# Altium PCB PCB_15122020_01CA.PcbDoc (part 3 of 5)
Units mm, origin at the board's own origin, x right, y up, seen from the top; angles counter-clockwise.
Board outline 139.36 x 118 mm, 4 copper layers (Top Layer, Layer 1, Layer 2, Bottom Layer), stack 1.57 mm thick; 384 components, 409 nets, 1580 pads, 1084 vias.
Unrouted connection lines stored in the file: 7.
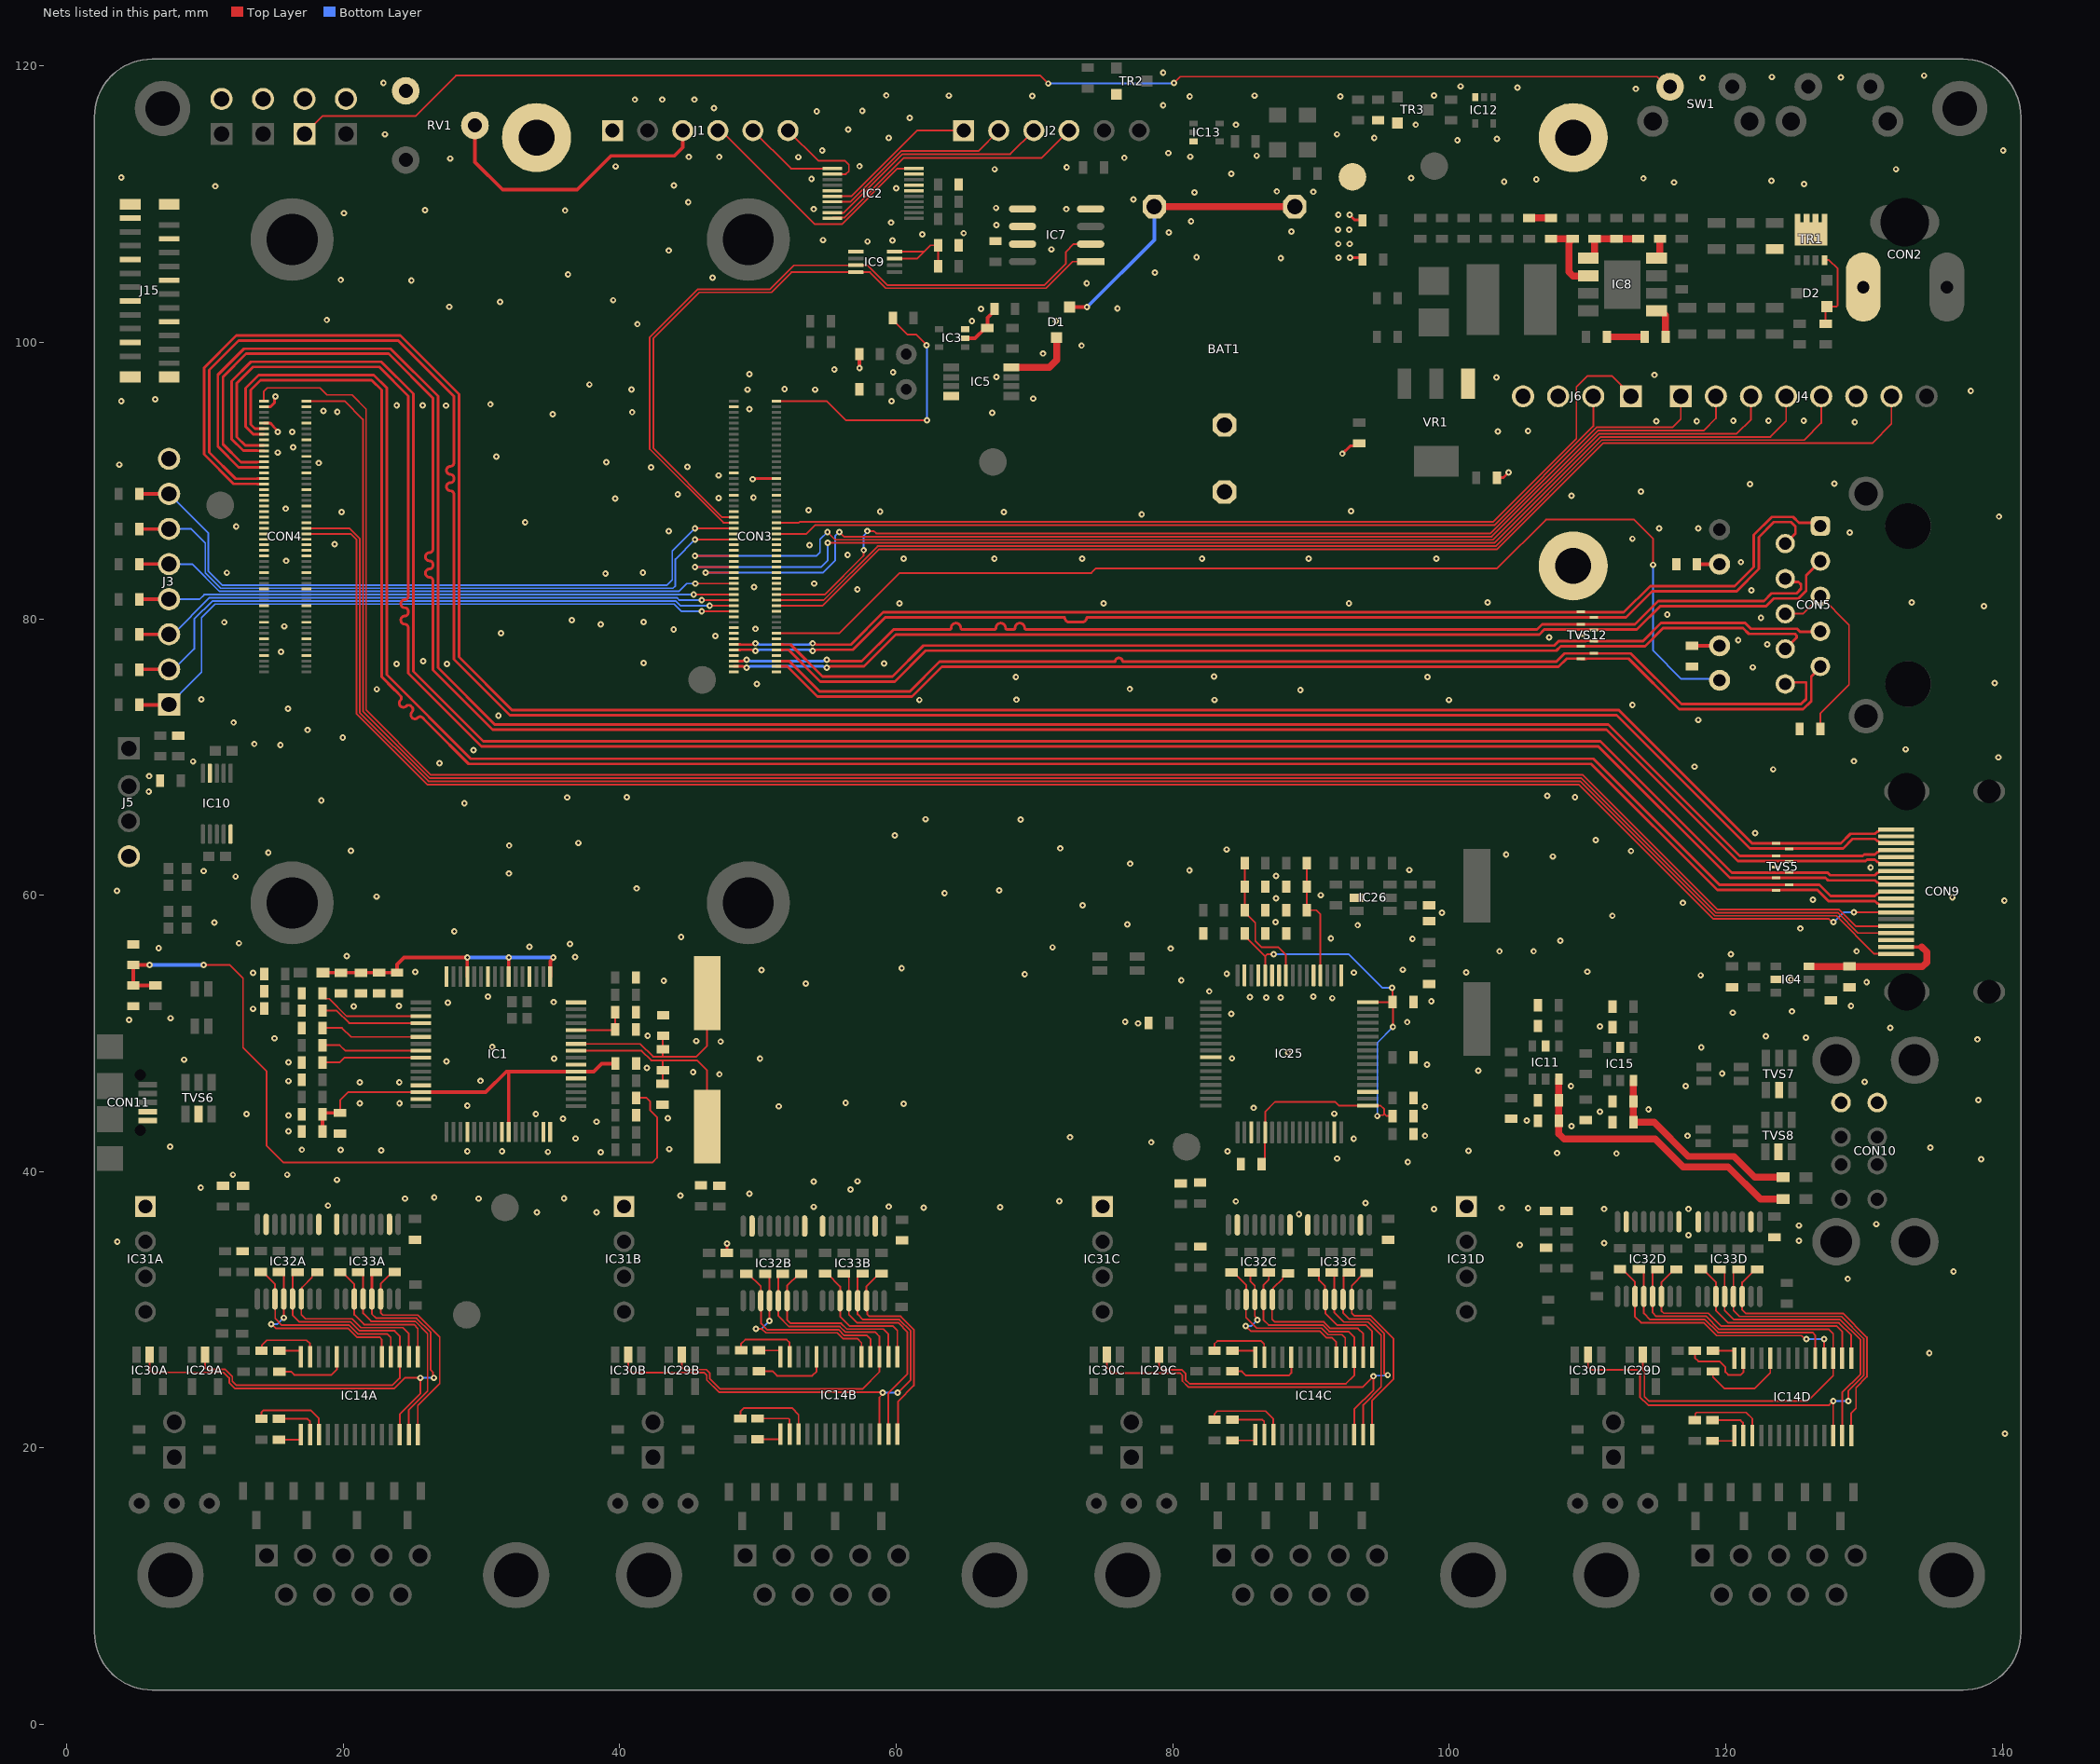
[diagram p5: the nets of this part, all layers, seen from the top]

## Via types
v1: diameter 0.46, hole 0.2, Top Layer to Bottom Layer, tented both sides, 1072 vias
v2: diameter 1.27, hole 0.711, Top Layer to Bottom Layer, tented both sides, 12 vias

## Nets (pads, with @x,y where several pads share a name; then routed paths per layer and width w, separated by ;. In a path a pad name is that pad's centre, name@x,y a point inside that pad or via, vN(x,y) a via of type N, cw(c..) or ccw(c..) an arc to the next point about the centre after c; other vN are vias at no path point) (continued)
Ethernet_nLED3: CON3.15 CON5.14 | length 81.2
  Top Layer w0.127: CON3.15@51.337,78.952 55.877,78.952 60.243,83.318 74.114,83.318 74.443,83.646 103.471,83.646 107,87.175 113.375,87.175 114.75,85.8 v1(114.75,83.9)
  Bottom Layer w0.127: v1(114.75,83.9) 114.75,77.7 116.8,75.65 119.46,75.65 CON5.14@119.56,75.55
Ethernet_Pair0_N: CON3.10 CON5.2 TVS12.9 | length 84.2
  Top Layer w0.192: CON3.10@48.257,77.752 48.261,77.756 48.718,77.756 48.729,77.767 49.559,77.767 49.603,77.723 49.774,77.723 v1(49.825,77.671) ; v1(53.95,77.671) 54.001,77.723 54.172,77.723 54.216,77.767 56.872,77.767 59.204,80.1 69.8,80.1 70.596,80.1 72.188,80.1 ccw(c72.525,80.1) 72.525,79.763 73.442,79.763 ccw(c73.442,80.1) 73.779,80.1 75.371,80.1 75.375,80.1 109.725,80.1 TVS12.9@110.475,80.1 112.786,80.1 114.686,82 120.793,82 122.395,83.602 122.395,85.909 123.486,87 124.725,87 125.047,86.678 125.047,86.182 CON5.2@124.31,85.445
  Bottom Layer w0.192: v1(49.825,77.671) 49.876,77.723 50.047,77.723 50.091,77.767 53.684,77.767 53.728,77.723 53.899,77.723 v1(53.95,77.671)
Ethernet_Pair0_P: CON3.12 CON5.1 TVS12.1 | length 84.2
  Top Layer w0.192: CON3.12@48.257,78.152 48.261,78.148 48.718,78.148 48.729,78.137 49.559,78.137 49.603,78.182 49.774,78.182 v1(49.825,78.233) ; v1(53.95,78.233) 54.001,78.182 54.172,78.182 54.216,78.137 56.719,78.137 59.051,80.47 112.633,80.47 114.533,82.37 120.64,82.37 122.025,83.755 122.025,86.062 123.333,87.37 124.878,87.37 125.308,86.939 126.626,86.939 CON5.1@126.85,86.715
  Bottom Layer w0.192: v1(49.825,78.233) 49.876,78.182 50.047,78.182 50.091,78.137 53.684,78.137 53.728,78.182 53.899,78.182 v1(53.95,78.233)
Ethernet_Pair1_N: CON3.6 CON5.4 TVS12.2 | length 82.2
  Top Layer w0.192: CON3.6@48.257,76.952 48.261,76.948 48.646,76.948 48.657,76.937 48.909,76.937 v1@48.953,76.982 ; v1(54.975,77.033) 55.026,76.982 55.197,76.982 55.241,76.937 57.512,76.937 59.808,79.233 63.625,79.233 63.86,79.233 ccw(c63.86,79.344) 63.971,79.344 cw(c64.317,79.344) 64.317,79.69 cw(c64.317,79.344) 64.663,79.344 ccw(c64.774,79.344) 64.774,79.233 65.354,79.233 66.046,79.233 66.175,79.233 66.521,79.233 67.102,79.233 ccw(c67.102,79.344) 67.213,79.344 cw(c67.559,79.344) 67.559,79.69 cw(c67.559,79.344) 67.904,79.344 ccw(c68.016,79.344) 68.016,79.233 68.485,79.233 ccw(c68.485,79.344) 68.596,79.344 cw(c68.942,79.344) 68.942,79.69 cw(c68.942,79.344) 69.288,79.344 ccw(c69.399,79.344) 69.399,79.233 69.45,79.233 106.358,79.233 106.725,79.6 107.651,79.6 TVS12.2@109.525,79.6 110.113,79.6 113.422,79.6 115.117,81.295 122.77,81.295 123.32,81.845 125.12,81.845 125.45,82.175 125.45,82.484 125.26,82.674 124.541,82.674 CON5.4@124.31,82.905
  Bottom Layer w0.192: v1(49.175,77.033) 49.226,76.982 49.397,76.982 49.441,76.937 54.709,76.937 v1@54.753,76.982
Ethernet_Pair1_P: CON3.4 CON5.3 TVS12.8 | length 82.1
  Top Layer w0.192: CON3.4@48.257,76.552 48.261,76.556 48.646,76.556 48.657,76.567 48.909,76.567 v1@48.953,76.523 ; v1(54.975,76.471) 55.026,76.523 55.197,76.523 55.241,76.567 57.665,76.567 59.961,78.863 106.511,78.863 106.878,79.23 107.804,79.23 113.575,79.23 115.27,80.925 122.923,80.925 123.473,81.475 125.273,81.475 125.82,82.022 125.82,83.145 CON5.3@126.85,84.175
  Bottom Layer w0.192: v1(49.175,76.471) 49.226,76.523 49.397,76.523 49.441,76.567 54.709,76.567 v1@54.753,76.523
Ethernet_Pair2_N: CON3.9 CON5.8 TVS12.4 | length 78.2
  Top Layer w0.192: CON3.9@51.337,77.752 51.341,77.756 51.798,77.756 51.809,77.767 52.208,77.767 54.511,75.464 59.892,75.464 62.128,77.7 67.85,77.7 71.725,77.7 107.748,77.7 108.073,78.025 109.875,78.025 ; TVS12.4@109.525,78 109.529,78.004 109.854,78.004 109.875,78.025 ; CON5.8@124.31,77.825 125.119,78.634 125.119,78.793 125.007,78.905 121.67,78.905 121.25,79.325 115.473,79.325 114.173,78.025 109.875,78.025
Ethernet_Pair2_P: CON3.11 CON5.7 TVS12.7 | length 78.4
  Top Layer w0.192: CON3.11@51.337,78.152 51.341,78.148 51.798,78.148 51.809,78.137 52.361,78.137 54.664,75.833 59.739,75.833 61.975,78.07 107.595,78.07 107.92,78.395 109.875,78.395 109.88,78.4 TVS12.7@110.475,78.4 ; TVS12.7@110.475,78.395 114.02,78.395 115.32,79.695 121.403,79.695 121.823,79.275 125.16,79.275 125.385,79.05 126.805,79.05 CON5.7@126.85,79.095
Ethernet_Pair3_N: CON3.5 CON5.10 TVS12.6 | length 81.9
  Top Layer w0.192: CON3.5@51.337,76.952 51.341,76.948 51.798,76.948 51.809,76.937 52.261,76.937 54.447,74.75 60.993,74.75 63.138,76.895 75.575,76.895 75.841,76.895 75.841,76.906 cw(c76.107,76.906) 76.107,77.172 cw(c76.107,76.906) 76.373,76.906 76.373,76.895 76.875,76.895 77.35,76.895 81.175,76.895 107.749,76.895 108.345,77.491 109.925,77.491 ; TVS12.6@110.475,77.5 110.471,77.496 109.93,77.496 109.925,77.491 ; CON5.10@124.31,75.285 124.43,75.405 125.82,75.405 125.82,74.193 125.452,73.825 116.798,73.825 113.131,77.491 109.925,77.491
Ethernet_Pair3_P: CON3.3 CON5.9 TVS12.5 | length 81.9
  Top Layer w0.192: CON3.3@51.337,76.552 51.341,76.556 51.798,76.556 51.809,76.567 52.108,76.567 54.294,74.381 61.146,74.381 63.291,76.526 107.902,76.526 108.498,77.122 109.925,77.122 ; TVS12.5@109.525,77.1 109.529,77.104 109.907,77.104 109.925,77.122 ; CON5.9@126.85,76.555 126.85,76.48 126.189,75.819 126.189,74.04 125.605,73.455 116.645,73.455 112.978,77.122 109.925,77.122
Ethernet_SYNC_IN: CON3.16
Ethernet_SYNC_OUT: CON3.18
GLOBAL_EN: CON3.99 R78.2 | length 20.3
  Top Layer w0.127: CON3.99@51.337,95.752 54.973,95.752 56.35,94.375 v1(62.225,94.375) ; R78.2@59.75,101.775 59.75,101.625 60.8,100.575 61.425,100.575 v1(62.2,99.8)
  Bottom Layer w0.127: v1(62.2,99.8) 62.212,99.788 62.212,94.387 v1(62.225,94.375)
GLOBAL_EN_PIN: J18.1 SW1.2 | length 101.3
  Top Layer w0.127: J18.1@17.196,115.075 18.497,116.375 25.225,116.375 28.15,119.3 70.425,119.3 v1(71,118.725) ; v1(80.1,118.775) 80.55,119.225 115.016,119.225 115.741,118.5 SW1.2@115.975,118.5
  Bottom Layer w0.127: v1(71,118.725) 71.025,118.75 80.075,118.75 v1(80.1,118.775)
GND: BAT1.2 C2.2 C3.2 C4.2 C5.2 C6.2 C7.2 C24.2 C25.2 C29.1 C30.2 C31.2 C32.2 C33.2 C34.2 C35.2 C36.2 C37.1 C38A.2 C38B.2 C38C.2 C38D.2 C40.2 C41.2 C42.2 C43.2 C44.2 C50.2 C51.2 C52.2 C53.1 C54.2 C55A.1 C55B.1 C55C.1 C55D.1 C56.2 C57.2 C58.2 C59.2 C60.2 C61.2 C62.2 C63.2 C74.2 C89.2 C90.2 C91.1 C92.1 C93.1 C94.1 C95.2 C96.2 C97.2 C98.2 C99.2 C100.2 C101.2 C102.2 C103.1 C120A.1 C120B.1 C120C.1 C120D.1 CON3.1 CON3.2 CON3.7 CON3.8 CON3.13 CON3.14 CON3.22 CON3.23 CON3.32 CON3.33 CON3.42 CON3.43 CON3.52 CON3.53 CON3.59 CON3.60 CON3.65 CON3.66 CON3.71 CON3.74 CON3.98 CON4.7 CON4.8 CON4.13 CON4.14 CON4.19 CON4.20 CON4.25 CON4.26 CON4.31 CON4.32 CON4.37 CON4.38 CON4.44 CON4.50 CON4.55 CON4.56 CON4.61 CON4.62 CON4.67 CON4.68 CON4.73 CON4.74 CON4.79 CON4.80 CON4.85 CON4.86 CON4.91 CON4.92 CON4.97 CON4.98 CON9.2 CON9.5 CON9.8 CON9.11 CON9.17 CON10.A4 CON10.B4 CON11.4 CON11.5 IC1.4 IC1.10 IC1.16 IC1.29 IC1.31 IC1.36 IC1.41 IC1.47 IC1.48 IC1.53 IC1.55 IC1.64 IC2.6 IC2.7 IC2.9 IC2.15 IC3.3 IC4.2 IC5.4 IC7.4 IC7.5 IC7.6 IC7.7 IC9.1 IC10.5 IC10.9 IC11.2 IC12.3 IC13.3 IC15.2 IC25.1 IC25.5 IC25.10 IC25.11 IC25.13 IC25.15 IC25.25 IC25.35 IC25.47 IC25.51 IC26.2 IC31A.1 IC31B.1 IC31C.1 IC31D.1 IC32A.9 IC32A.15 IC32B.9 IC32B.15 IC32C.9 IC32C.15 IC32D.9 IC32D.15 IC33A.2 IC33A.8 IC33B.2 IC33B.8 IC33C.2 IC33C.8 IC33D.2 IC33D.8 J1.1 J3.8 J4.6 J5.4 J6.3 J6.4 J15.1 J15.4 J15.7 J15.10 J15.13 J15.16 J15.19 J15.MP1 J15.MP2 J15.MP3 J15.MP4 J16.2 J17.2 J18.2 J19.2 PAD1.1 PAD2.1 PAD3.1 R3.2 R5.2 R17.1 R38.2 R39.2 R46.2 R53.2 R54.2 R57A.1 R57B.1 R57C.1 R57D.1 R60.2 R61.2 R65.2 R66.2 R71.2 R73.2 R77.1 R108.1 R110.1 R111.1 RV1.1 TP5.1 TR2.2 TR3.2 TVS5.3 TVS6.2 TVS7.2 TVS8.2 TVS12.3 VR1.1 | length 10.7
  Top Layer w0.2: CON4.92@14.257,94.152 14.733,94.152 14.932,93.954 14.932,93.928 15.264,93.595 v1(15.264,93.525) ; CON4.98@14.257,95.352 14.752,95.352 15.039,95.639 15.039,96.025 v1(15.089,96.075) ; R57B.1@47.754,34.114 v1(47.754,34.8) ; v1(49.625,90.1) 49.693,90.1 49.745,90.152 CON3.71@51.337,90.152 ; v1(92.275,91.95) 92.825,92.5 93.3,92.5 C25.2@93.5,92.7 ; v1(92.8,109.225) 93.175,108.85 93.7,108.85 R54.2@93.725,108.825 ; v1(92.825,106.13) 93.595,106.13 R53.2@93.725,106 ; C29.1@103.45,90.2 103.475,90.225 103.925,90.225 v1(104.3,90.6)
  Top Layer w0.254: C4.2@57.325,99.15 57.336,99.139 57.336,98.161 v1(57.347,98.15)
  other v1: 140.2,21.05 134.725,26.875 128.825,32.25 136.475,32.775 105.1,34.7 111.2,34.825 3.65,34.925 125.3,35 117.3,35.4 125.3,36.1 130.9,36.2 89.138,36.923 34,37.05 38.325,37.05 98.9,37.3 111.2,37.304 117.3,37.304 103.8,37.375 105.7,37.365 61.985,37.4 67.525,37.425 54.038,37.448 59.45,37.475 18.888,37.545 93.953,37.725 84.563,37.848 71.788,37.873 24.464,38.05 29.8,38.05 35.975,38.075 26.575,38.129 44.4,38.275 49.375,38.4 56.7,38.7 9.685,38.85 54.025,39.279 57.2,39.3 19.55,39.4 12.013,39.773 15.95,39.775 97,40.692 138.488,40.9 91.9,40.95 112.1,41.315 107.8,41.35 38.625,41.4 34.8,41.425 31.49,41.473 83.963,41.473 28.971,41.475 101.4,41.5 22.75,41.55 19.81,41.575 17,41.587 43.579,41.625 134.8,41.75 7.475,41.8 78.45,42.125 93.092,42.387 36.8,42.4 72.563,42.498 98.25,42.6 117.25,42.6 16.036,42.917 108.85,43.3 38.325,43.614 105.6,43.7 35.9,43.821 43.489,43.86 16.036,44.075 13,44.17 33.925,44.17 91.688,44.187 110.9,44.346 114.421,44.5 85.865,44.623 98.25,44.7 51.511,44.725 28.971,44.771 60.527,44.914 21.2,44.95 24.075,44.939 56.339,44.975 138.275,45.175 108.8,46.184 117.1,46.2 21.203,46.452 24.05,46.47 130.054,46.5 16.036,46.55 29.935,46.574 47.209,47.049 119.75,47.1 45.314,47.2 102.1,47.3 41.971,47.5 98.388,47.737 16.036,47.905 27.475,47.975 8.478,48.1 35.25,48.175 50.139,48.19 84.288,48.198 88.352,48.623 118.235,49 30.782,49.03 47.304,49.41 45.539,49.45 138.212,49.575 15.025,49.646 125.8,49.7 122.9,49.8 42.014,49.825 131.9,50.4 110.9,50.5 77.489,50.725 96.963,50.823 76.564,50.851 4.5,50.975 7.503,51.1 84.238,51.423 120.5,51.5 124.8,51.6 13.471,51.775 20.75,51.95 24.025,51.997 129.062,52 27.575,52.218 35.225,52.271 98.713,52.323 91.538,52.548 86.755,52.598 87.8,52.6 85.577,52.625 30.475,52.657 90.163,52.667 82.639,53.05 53.464,53.6 130.2,53.7 43.189,53.818 80.614,53.85 124.725,53.9 118.2,54.2 69.289,54.275 83.913,54.323 13.483,54.394 93.1,54.4 101.238,54.423 25.2,54.45 110,54.467 50.264,54.581 96.638,54.606 60.389,54.722 36.775,55.525 20.25,55.6 120.365,55.725 103.638,55.948 106.1,55.948 129.463,55.948 79.864,56.15 6.65,56.175 71.309,56.225 33.475,56.275 36.389,56.467 12.45,56.525 108.026,56.7 97.338,56.845 91.438,56.873 44.439,56.975 28.025,57.375 125.4,57.6 93.388,57.834 76.714,57.9 10.675,58.025 87.438,58.048 111.8,58.513 99.484,58.723 73.489,59.275 116.9,59.452 140.15,59.616 126.3,59.683 87.463,59.773 136.4,59.85 22.404,59.9 90.713,59.998 63.489,60.15 3.625,60.325 67.439,60.35 41.214,60.5 12.211,61.35 87.463,61.398 31.975,61.575 9.907,61.75 81.214,61.794 97.113,61.819 130.475,62 76.914,62.285 107.5,62.8 104.112,62.94 14.575,63.085 113.15,63.2 20.564,63.225 83.889,63.304 71.864,63.4 32,63.6 37.014,63.775 110.6,64 59.889,64.325 122.137,64.5 68.989,65.469 62.114,65.494 28.764,66.65 18.414,66.85 36.189,67.075 40.514,67.1 109.1,67.1 107.1,67.2 5.939,67.487 5.964,68.625 123.432,69.1 117.748,69.3 26.95,69.55 9.139,69.675 129.273,69.7 139.725,69.975 29.425,70.5 133.025,70.55 15.45,70.875 13.564,70.95 19.964,71.4 17.414,71.959 12.075,72.5 118.019,72.675 31.225,73 16,73.5 113.25,73.775 61.671,74.125 83.025,74.125 99.975,74.125 68.7,74.15 9.728,74.175 89.237,74.85 22.425,74.9 76.9,74.925 49.909,75.275 139.45,75.35 68.65,75.8 98.425,75.8 83,75.825 121.95,76.484 23.85,76.725 27.5,76.737 59.125,76.775 41.725,76.802 25.775,76.927 15.5,77.6 123,78.152 120.9,78.45 107.225,78.65 46.925,78.75 31.4,78.952 43.9,79.225 49.825,79.275 15.725,79.45 38.625,79.6 11.4,79.752 41.725,79.775 36.525,79.911 122.55,80.069 115.775,80.3 138.675,80.925 60.225,81.125 75,81.125 92.75,81.125 102.786,81.185 133.45,81.175 121.85,82.05 57.187,82.127 49.725,82.3 54.075,82.55 38.975,83.275 11.575,83.329 41.675,83.35 121.1,84.1 15.878,84.2 60.543,84.35 67.1,84.35 73.44,84.35 82.125,84.35 89.825,84.35 99.062,84.35 56.477,84.627 53.725,85.325 19.375,85.4 113.25,85.789 128.975,86.25 43.55,86.35 115.175,86.55 118.025,86.552 12.25,86.675 33.15,86.979 139.775,87.4 77.75,87.55 19.875,87.725 67.775,87.725 58.834,87.768 92.9,87.8 53.65,87.85 15.825,87.975 39.675,88.702 47.145,88.725 49.671,88.775 108.85,88.9 44.2,89.002 113.875,89.2 121.75,89.75 127.85,89.775 47.152,90.375 42.275,90.95 44.9,90.998 3.8,91.15 18.225,91.275 39.025,91.325 31.075,91.735 15.264,92.025 16.364,92.4 16.314,93.525 103.525,93.55 105.7,93.6 129.331,94.225 114.972,94.3 117.9,94.3 120.559,94.325 123.093,94.325 125.65,94.325 35.15,94.8 66.95,94.9 40.9,94.95 19.564,94.975 18.564,95.05 49.375,95.175 23.871,95.442 27.425,95.427 25.75,95.45 30.65,95.525 3.95,95.75 59.651,95.75 6.4,95.875 69.9,95.933 137.725,96.5 49.25,96.575 54.125,96.575 40.85,96.6 51.925,96.625 37.8,96.95 103.425,97.475 67.25,97.5 114.85,97.65 49.375,97.7 59.776,97.848 55.526,98.05 70.625,99.2 73.4,99.775 41.275,101.325 65.475,101.55 71.55,101.55 18.814,101.627 66.125,102.425 76,102.465 27.675,102.575 31.35,102.92 39.523,103.05 73.775,104.275 24.925,104.481 19.825,104.525 46.725,104.675 36.25,104.925 78.7,105.05 87.825,106.1 92,106.13 81.725,106.175 43.55,106.65 71.225,106.725 91.975,107.125 92.8,107.125 57.925,107.3 59.725,107.375 54.7,107.4 61.89,107.825 64.875,107.9 79.725,107.95 88.575,108.025 91.95,108.15 92.775,108.15 67.25,108.5 59.625,108.675 81.325,108.75 91.975,109.225 20.046,109.35 36.045,109.55 25.925,109.575 54.04,109.65 72.3,109.65 67.225,109.725 44.95,110.15 77.15,110.35 81.575,110.85 90.162,110.9 87.525,110.932 60,111.15 10.75,111.3 43.925,111.35 125.669,111.45 116.255,111.575 103.975,111.625 123.3,111.7 106.3,111.8 53.875,111.825 114.05,111.875 97.25,111.9 3.95,111.925 84.238,112.2 67.125,112.525 132.325,112.525 72.325,112.675 39.7,112.725 57.35,112.75 27.725,113.3 76.5,113.36 52.925,113.402 45,113.425 47.2,113.425 81.275,113.435 86.075,113.5 79.675,113.7 54.65,113.875 140.075,113.875 100.6,114.625 103.45,114.725 59.45,114.8 94.575,114.785 23.025,115.05 91.875,115.05 56.518,115.4 84.575,115.75 97.575,115.75 60.968,116.25 54.25,116.725 57.55,116.75 46.825,116.95 79.3,117.161 41.1,117.575 43.075,117.575 45.4,117.575 81.225,117.8 92.125,117.8 69.85,117.825 63.8,117.85 85.925,117.85 59.275,117.875 98.9,117.854 113.5,118.35 104.925,118.425 100.825,118.525 22.9,118.775 118.325,119.15 128.325,119.175 123.35,119.2 134.35,119.3 79.3,119.51
GPIO02: CON3.58 IC7.1 IC9.4 | length 50.7
  Top Layer w0.127: CON3.58@48.257,87.352 47.421,87.352 42.437,92.337 42.437,100.313 45.745,103.621 50.97,103.621 52.423,105.075 IC9.4@57.07,105.075 58.102,105.075 59.255,103.921 70.821,103.921 72.745,105.845 IC7.1@74.065,105.845
GPIO03: CON3.56 IC7.2 IC9.3 | length 52.7
  Top Layer w0.127: CON3.56@48.257,86.952 47.498,86.952 42.175,92.275 42.175,100.375 45.65,103.85 50.875,103.85 52.6,105.575 IC9.3@57.07,105.575 57.925,105.575 59.35,104.15 70.727,104.15 72.275,105.698 72.275,106.55 72.84,107.115 IC7.2@74.065,107.115
GPIO04: CON3.54 J3.7 R13.1 | length 50.3
  Top Layer w0.127: v1(45.45,86.55) 45.451,86.551 CON3.54@48.257,86.552 CON3.54@48.257,86.552
  Top Layer w0.254: R13.1@5.25,89.04 J3.7@7.4,89.04
  Bottom Layer w0.127: J3.7@7.4,89.04 10.25,86.19 10.25,83.425 11.237,82.438 11.745,82.438 43.415,82.438 43.802,82.825 43.802,84.902 v1(45.45,86.55)
GPIO05: CON3.34 J3.5 R11.1 | length 44.1
  Top Layer w0.127: v1(45.475,82.55) 45.476,82.551 CON3.34@48.257,82.552 CON3.34@48.257,82.552
  Top Layer w0.254: R11.1@5.25,83.952 5.258,83.96 J3.5@7.4,83.96
  Bottom Layer w0.127: J3.5@7.4,83.96 9.068,83.96 11.048,81.981 11.745,81.981 44.275,81.981 44.844,82.55 v1(45.475,82.55)
GPIO06: CON3.30 J3.4 R10.1 | length 43.1
  Top Layer w0.127: v1(45.35,81.752) CON3.30@48.257,81.752
  Top Layer w0.254: R10.1@5.25,81.407 5.263,81.42 J3.4@7.4,81.42
  Bottom Layer w0.127: J3.4@7.4,81.42 9.606,81.42 9.938,81.752 11.745,81.752 v1(45.35,81.752)
GPIO07: CON3.37
GPIO08: CON3.39
GPIO09: CON3.40 J4.4 | length 88.7
  Top Layer w0.127: v1(45.45,83.752) CON3.40@48.257,83.752 ; v1(55.05,85.5) 55.061,85.489 103.268,85.489 110.943,93.164 123.234,93.164 124.37,94.3 J4.4@124.37,96.1
  Bottom Layer w0.127: v1(45.45,83.752) 54.577,83.752 55.05,84.225 v1(55.05,85.5)
GPIO10: CON3.44 J4.3 | length 85.9
  Top Layer w0.127: v1@45.5,84.55 48.255,84.55 CON3.44@48.257,84.552 ; v1(55.025,86.275) 55.582,85.718 103.173,85.718 110.848,93.393 120.798,93.393 121.83,94.425 J4.3@121.83,96.1
  Bottom Layer w0.127: v1@45.5,84.55 54.225,84.55 54.488,84.812 54.488,85.737 v1(55.025,86.275)
  other v1: 45.45,84.55
GPIO11: CON3.38 J4.2 | length 82.7
  Top Layer w0.127: v1(46.2,83.35) 46.975,83.35 46.976,83.351 CON3.38@48.257,83.352 CON3.38@48.257,83.352 ; v1(55.875,86.275) 56.204,85.946 103.078,85.946 110.753,93.621 118.411,93.621 119.29,94.5 J4.2@119.29,96.1
  Bottom Layer w0.127: v1(46.2,83.35) 54.725,83.35 55.575,84.2 55.575,85.975 v1(55.875,86.275)
GPIO12: CON3.31
GPIO13: CON3.28 J3.3 R9.1 | length 44.2
  Top Layer w0.127: v1(45.925,81.352) CON3.28@48.257,81.352
  Top Layer w0.254: R9.1@5.25,78.863 5.267,78.88 J3.3@7.4,78.88
  Bottom Layer w0.127: J3.3@7.4,78.88 7.68,78.88 10.324,81.524 11.745,81.524 44.125,81.524 44.296,81.352 v1(45.925,81.352)
GPIO14: CON3.55 J6.1 | length 69
  Top Layer w0.127: CON3.55@51.337,86.952 52.967,86.952 53.018,87.004 103.166,87.004 109.2,93.038 109.2,96.775 110,97.575 111.775,97.575 J6.1@113.15,96.2
GPIO15: CON3.51 J6.2 | length 64.6
  Top Layer w0.127: CON3.51@51.337,86.152 53.502,86.152 54.125,86.775 103.26,86.775 110.42,93.935 J6.2@110.42,96.1 J6.2@110.42,96.2
GPIO16: CON3.29 J4.1 | length 73.4
  Top Layer w0.127: CON3.29@51.337,81.752 54.831,81.752 57.638,84.559 57.638,84.963 v1(57.65,84.975) ; v1(57.903,86.354) 58.371,86.354 58.55,86.175 102.984,86.175 110.659,93.85 116.15,93.85 116.75,94.45 J4.1@116.75,96.1
  Bottom Layer w0.127: v1(57.65,84.975) 57.65,86.019 57.903,86.272 v1(57.903,86.354)
GPIO17: CON3.50 J3.6 R12.1 | length 48.6
  Top Layer w0.127: v1(45.45,85.737) 45.457,85.745 48.249,85.745 CON3.50@48.257,85.752
  Top Layer w0.254: R12.1@5.25,86.496 5.254,86.5 J3.6@7.4,86.5
  Bottom Layer w0.127: J3.6@7.4,86.5 9,86.5 10.021,85.479 10.021,83.33 11.142,82.209 11.745,82.209 43.85,82.209 44.03,82.39 44.03,84.318 v1(45.45,85.737)
GPIO18: CON3.49
GPIO19: CON3.26 J3.2 R8.1 | length 46.5
  Top Layer w0.127: v1(46.5,80.952) CON3.26@48.257,80.952
  Top Layer w0.254: R8.1@5.25,76.319 5.271,76.34 J3.2@7.4,76.34
  Bottom Layer w0.127: J3.2@7.4,76.34 7.74,76.34 9.225,77.825 9.225,79.975 10.545,81.295 11.745,81.295 44.03,81.295 44.373,80.952 v1(46.5,80.952)
GPIO20: CON3.27 J4.5 | length 82.8
  Top Layer w0.127: CON3.27@51.337,81.352 54.754,81.352 58.662,85.261 103.362,85.261 111.037,92.936 125.671,92.936 126.91,94.175 J4.5@126.91,96.1
GPIO21: CON3.25 J4.7 | length 88.1
  Top Layer w0.127: CON3.25@51.337,80.952 54.677,80.952 58.757,85.032 103.457,85.032 111.132,92.707 130.597,92.707 131.99,94.1 J4.7@131.99,96.1
GPIO22: CON3.46
GPIO23: CON3.47
GPIO24: CON3.45
GPIO25: CON3.41
GPIO26: CON3.24 J3.1 R7.1 | length 48.6
  Top Layer w0.127: v1@45.928,80.553 CON3.24@48.257,80.552
  Top Layer w0.254: R7.1@5.25,73.775 7.375,73.775 J3.1@7.4,73.8